# Altium PCB OpenPLCv0.2.0.PcbDoc (part 6 of 6)
Units mm, origin at the board's own origin, x right, y up, seen from the top; angles counter-clockwise.
Board outline 180 x 120 mm, 4 copper layers (Top Copper, Int1 Copper (GND), Int2 Copper (GND), Bottom Copper), stack 1.57 mm thick; 541 components, 405 nets, 1586 pads, 1395 vias.
Unrouted connection lines stored in the file: 4.
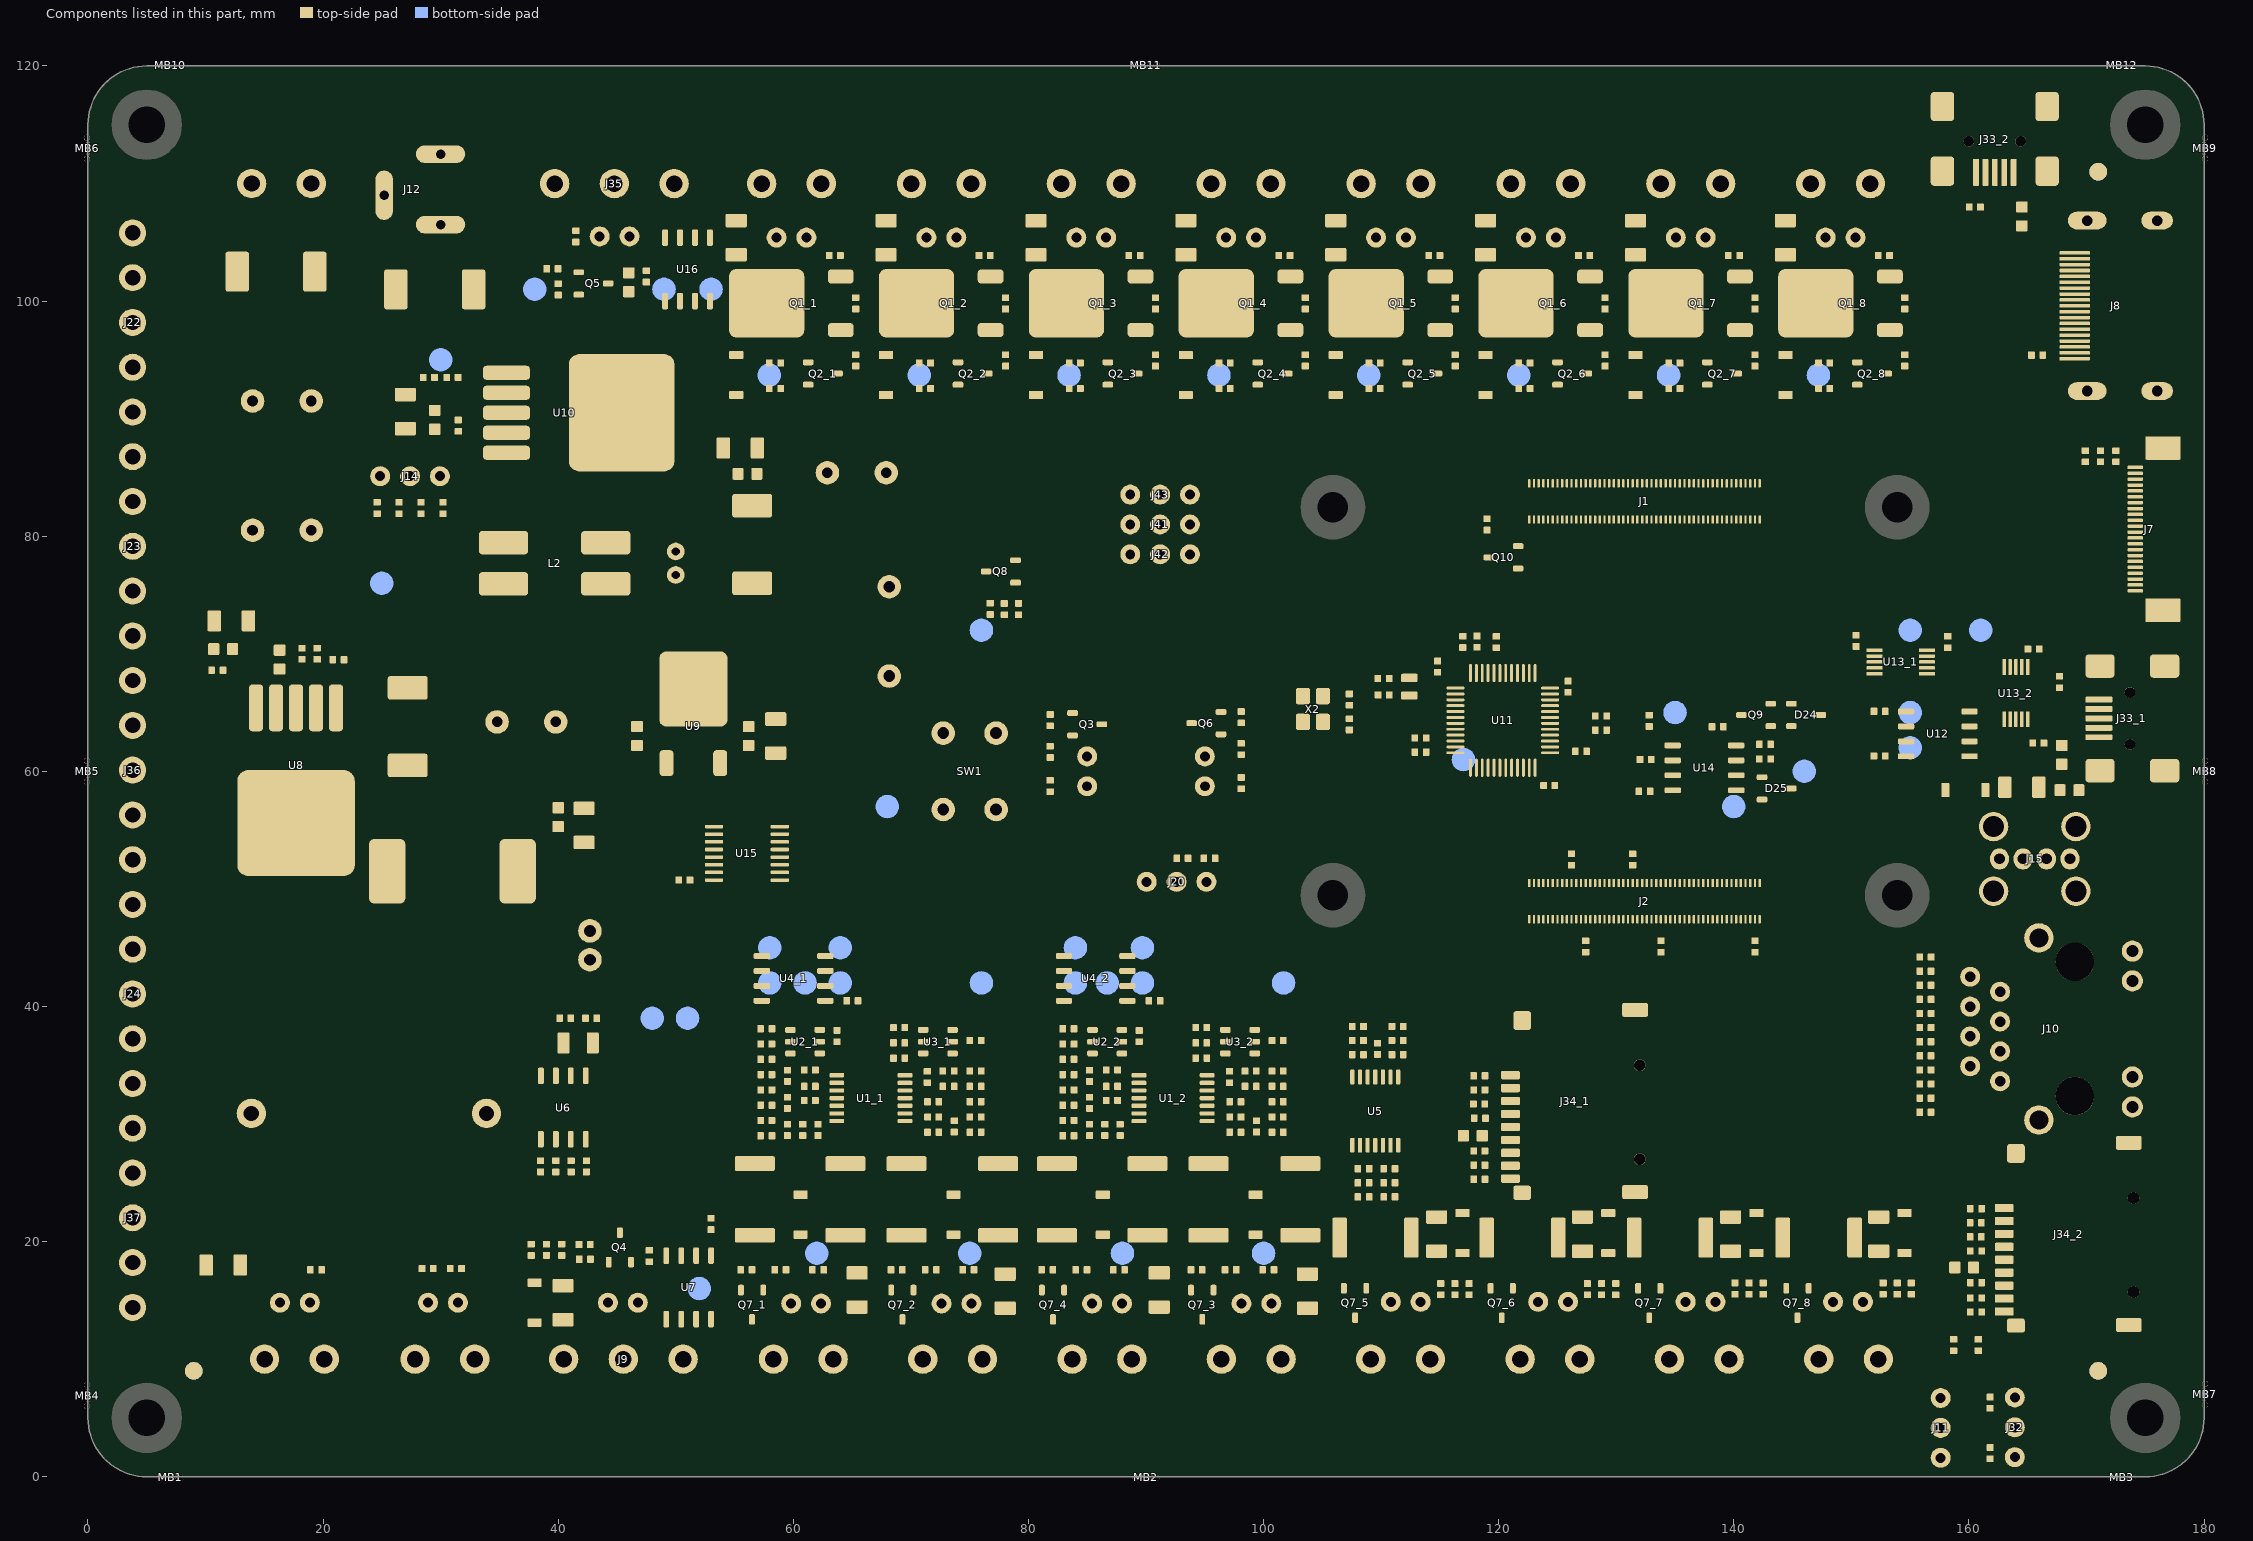
[diagram p8: the components of this part, seen from the top]

## Polygon pours and split planes (outlines as drawn) (continued)
5V on Top Copper "NONET_L03_P-001" (solid, pour order 2): 137.302,46.302 137.6,46.6 139.9,46.6 140.302,46.302 140.302,45.397 cw(c140.022,45.397) 140.022,45.117 137.532,45.117 cw(c137.532,45.347) 137.302,45.347
GND on Top Copper "NONET_L03_P-001" (solid, remove dead copper, pour order 42): 108.5,65.9 114.2,65.9 114.2,65.3 107.9,65.3 107.9,69.1 114,69.1 114,67.8 115.2,66.6 114.7,66.1 113.3,67.5 113.3,68.5 108.5,68.5
GND on Top Copper "NONET_L03_P-001" (solid, remove dead copper, pour order 41): 114.7,64.6 115.3,64 114.8,63.5 114.3,64 108.5,64 108.5,62.4 101.6,62.4 101.6,68.3 108.5,68.3 108.5,65.9 114.3,65.9 114.3,65.3 107.9,65.3 107.9,67.7 102.2,67.7 102.2,63 107.9,63 107.9,64.6
GND on Top Copper "NONET_L03_P-001" (solid, remove dead copper, pour order 40): 43.1,34 43.9,34 43.9,35 44.5,35.6 44.5,40.2 38.9,40.2 38.9,35.7 39.6,35 40.3,35 40.3,35.8 39.9,35.8 39.7,36 39.7,39.4 43.7,39.4 43.7,36 43.1,35.4
GND on Top Copper "POWER_ID2" (solid, remove dead copper, pour order 29): 20.2,62.5 30.5,62.5 30.5,70 21.3,70 21.3,69 20.2,69
24V on Top Copper "NONET_L03_P-001" (solid, remove dead copper, pour order 27): 138.751,103.2 138.751,99.5 142.751,99.5 142.751,103.2
24V on Top Copper "NONET_L03_P-001" (solid, remove dead copper, pour order 26): 126.002,103.2 126.002,99.5 130.002,99.5 130.002,103.2
24V on Top Copper "NONET_L03_P-001" (solid, remove dead copper, pour order 25): 113.253,103.2 113.253,99.5 117.253,99.5 117.253,103.2
24V on Top Copper "NONET_L03_P-001" (solid, remove dead copper, pour order 24): 100.504,103.2 100.504,99.5 104.504,99.5 104.504,103.2
24V on Top Copper "NONET_L03_P-001" (solid, remove dead copper, pour order 23): 87.755,103.2 87.755,99.5 91.755,99.5 91.755,103.2
24V on Top Copper "NONET_L03_P-001" (solid, remove dead copper, pour order 22): 75.006,103.2 75.006,99.5 79.006,99.5 79.006,103.2
24V on Top Copper "NONET_L03_P-001" (solid, remove dead copper, pour order 21): 62.257,103.2 62.257,99.5 66.257,99.5 66.257,103.2
24V on Top Copper "NONET_L03_P-001" (solid, remove dead copper, pour order 15): 151.5,103.2 151.5,99.5 155.5,99.5 155.5,103.2
5V on Top Copper "POWER_ID2" (solid, pour order 13): 45.5,45.5 45.5,56 48.5,59 50.5,59 50.5,63 43.5,63 43.5,56 38,56 38,66 33,66 33,45.5
SW_5V on Top Copper "POWER_ID2" (solid, pour order 12): 11.5,62.5 15.5,62.5 15.5,67.6 18.6,67.6 18.6,62.5 30,62.5 30,58.5 28,56.5 28,47.5 24,47.5 21.5,50 11.5,50
GND on Top Copper "POWER_ID2" (solid, remove dead copper, pour order 10): 32.5,93 32.5,96 39,96 39,93
24V_PD on Top Copper "POWER_ID2" (solid, remove dead copper, pour order 9): 40,78 59,78 59,74 40,74
GND on Top Copper "POWER_ID2" (solid, remove dead copper, pour order 8): 40,78 40,82.5 32,82.5 32,78
VIN_JACK on Top Copper "POWER_ID2" (solid, remove dead copper, pour order 6): 28.5,98 34.5,98 34.5,108 27,108 27,104 28.5,104
VIN_TERM on Top Copper "POWER_ID2" (solid, remove dead copper, pour order 4): 16,112 10.5,112 10.5,100 16,100
GND on Bottom Copper "NONET_L03_P-001" (solid, remove dead copper, pour order 73): 0,115 cw(c5,115) 5,120 175,120 cw(c175,115) 180,115 180,5 cw(c175,5) 175,0 5,0 cw(c5,5) 0,5
5V on Bottom Copper "NONET_L03_P-001" (solid, remove dead copper, pour order 72): 139.073,43.979 138.521,43.979 137.3,45.2 137.3,46.3 cw(c137.6,46.3) 137.6,46.6 140.1,46.6 cw(c140.1,46.3) 140.4,46.3 140.4,45.306
SW_24V on Bottom Copper "NONET_L03_P-001" (solid, remove dead copper, pour order 28): 42.507,94.8 48.7,94.8 cw(c48.7,93.5) 50,93.5 50,87.5 cw(c48.6,87.5) 48.6,86.1 42.6,86.1 cw(c42.704,87.5) 41.3,87.5 41.3,93.5 cw(c42.604,93.5)
SW_5V on Bottom Copper "NONET_L03_P-001" (solid, remove dead copper, pour order 30): 14.607,59.7 20.8,59.7 cw(c20.8,58.4) 22.1,58.4 22.1,52.4 cw(c20.7,52.4) 20.7,51 14.7,51 cw(c14.804,52.4) 13.4,52.4 13.4,58.4 cw(c14.704,58.4)
3V3 on Bottom Copper "NONET_L03_P-001" (solid, remove dead copper, pour order 71): 67.5,60.5 67.5,59 67.7,59 68,58.7 68.3,59 70,59 70,60.5
24V on Bottom Copper "NONET_L03_P-001" (solid, remove dead copper, pour order 37): 62,76 66,76 66,62.5 51.5,48 46,48 44.5,49.5 30,49.5 23.5,43 23.5,8 18,8 18,12 20.5,12 20.5,44.2 28.8,52.5 45.5,52.5 47,51 50,51 62,63 62,63.5 62,72
5V on Bottom Copper "NONET_L03_P-001" (solid, remove dead copper, pour order 38): 41,47.5 41,45.5 38.6,45.5 32,38.9 32,22.5 36,18.5 36,9.8 34,7.8 31.8,7.8 30.7,8.9 30.7,11.2 33.5,14 33.5,17.5 29.6,21.4 29.6,39.8 37.3,47.5
24V on Bottom Copper "NONET_L03_P-001" (solid, pour order 33): 62.3,101.5 68.3,101.5 64.5,97.7 64.5,91 62.5,89 62.5,87 58.5,87 58.5,89 62.3,92.8
24V on Bottom Copper "NONET_L03_P-001" (solid, remove dead copper, pour order 32): 153.4,101.5 153.4,99.1 62.3,99.1 62.3,101.5
GND on Int2 Copper (GND) "NONET_L03_P-001" (solid, remove dead copper, pour order 63): 0,115 cw(c5,115) 5,120 175,120 cw(c175,115) 180,115 180,5 cw(c175,5) 175,0 5,0 cw(c5,5) 0,5
NetD16_8_2 on Int2 Copper (GND) "Int2 Copper (GND)-NetD16_8_2" (solid, remove dead copper, pour order 62): 143.443,97.3 ccw(c144.143,97.3) 144.143,96.6 149.809,96.6 ccw(c149.809,97.3) 150.509,97.3 150.509,102.326 ccw(c149.809,102.326) 149.809,103.026 144.143,103.026 ccw(c144.143,102.326) 143.443,102.326 143.443,99.813
NetD16_7_2 on Int2 Copper (GND) "Int2 Copper (GND)-NetD16_7_2" (solid, remove dead copper, pour order 61): 130.694,97.3 ccw(c131.394,97.3) 131.394,96.6 137.06,96.6 ccw(c137.06,97.3) 137.76,97.3 137.76,102.326 ccw(c137.06,102.326) 137.06,103.026 131.394,103.026 ccw(c131.394,102.326) 130.694,102.326 130.694,99.813
NetD16_6_2 on Int2 Copper (GND) "Int2 Copper (GND)-NetD16_6_2" (solid, remove dead copper, pour order 60): 117.945,97.3 ccw(c118.645,97.3) 118.645,96.6 124.311,96.6 ccw(c124.311,97.3) 125.011,97.3 125.011,102.326 ccw(c124.311,102.326) 124.311,103.026 118.645,103.026 ccw(c118.645,102.326) 117.945,102.326 117.945,99.813
NetD16_5_2 on Int2 Copper (GND) "Int2 Copper (GND)-NetD16_5_2" (solid, remove dead copper, pour order 59): 105.196,97.3 ccw(c105.896,97.3) 105.896,96.6 111.562,96.6 ccw(c111.562,97.3) 112.262,97.3 112.262,102.326 ccw(c111.562,102.326) 111.562,103.026 105.896,103.026 ccw(c105.896,102.326) 105.196,102.326 105.196,99.813
NetD16_4_2 on Int2 Copper (GND) "Int2 Copper (GND)-NetD16_4_2" (solid, remove dead copper, pour order 58): 92.447,97.3 ccw(c93.147,97.3) 93.147,96.6 98.813,96.6 ccw(c98.813,97.3) 99.513,97.3 99.513,102.326 ccw(c98.813,102.326) 98.813,103.026 93.147,103.026 ccw(c93.147,102.326) 92.447,102.326 92.447,99.813
NetD16_3_2 on Int2 Copper (GND) "Int2 Copper (GND)-NetD16_3_2" (solid, remove dead copper, pour order 57): 79.698,97.3 ccw(c80.398,97.3) 80.398,96.6 86.064,96.6 ccw(c86.064,97.3) 86.764,97.3 86.764,102.326 ccw(c86.064,102.326) 86.064,103.026 80.398,103.026 ccw(c80.398,102.326) 79.698,102.326 79.698,99.813
NetD16_2_2 on Int2 Copper (GND) "Int2 Copper (GND)-NetD16_2_2" (solid, remove dead copper, pour order 56): 66.949,97.3 ccw(c67.649,97.3) 67.649,96.6 73.315,96.6 ccw(c73.315,97.3) 74.015,97.3 74.015,102.326 ccw(c73.315,102.326) 73.315,103.026 67.649,103.026 ccw(c67.649,102.326) 66.949,102.326 66.949,99.813
NetD16_1_2 on Int2 Copper (GND) "Int2 Copper (GND)-NetD16_1_2" (solid, remove dead copper, pour order 35): 54.2,97.3 ccw(c54.9,97.3) 54.9,96.6 60.566,96.6 ccw(c60.566,97.3) 61.266,97.3 61.266,102.326 ccw(c60.566,102.326) 60.566,103.026 54.9,103.026 ccw(c54.9,102.326) 54.2,102.326 54.2,99.813
GND on Int1 Copper (GND) "NONET_L03_P-001" (solid, remove dead copper, pour order 55): 0,115 cw(c5,115) 5,120 175,120 cw(c175,115) 180,115 180,5 cw(c175,5) 175,0 5,0 cw(c5,5) 0,5
NetD16_8_2 on Int1 Copper (GND) "Int1 Copper (GND)-NetD16_8_2" (solid, remove dead copper, pour order 54): 143.443,97.3 ccw(c144.143,97.3) 144.143,96.6 149.809,96.6 ccw(c149.809,97.3) 150.509,97.3 150.509,102.326 ccw(c149.809,102.326) 149.809,103.026 144.143,103.026 ccw(c144.143,102.326) 143.443,102.326 143.443,99.813
NetD16_1_2 on Int1 Copper (GND) "Int1 Copper (GND)-NetD16_1_2" (solid, remove dead copper, pour order 36): 54.2,97.3 ccw(c54.9,97.3) 54.9,96.6 60.566,96.6 ccw(c60.566,97.3) 61.266,97.3 61.266,102.326 ccw(c60.566,102.326) 60.566,103.026 54.9,103.026 ccw(c54.9,102.326) 54.2,102.326 54.2,99.813
NetD16_2_2 on Int1 Copper (GND) "Int1 Copper (GND)-NetD16_2_2" (solid, remove dead copper, pour order 48): 66.949,97.3 ccw(c67.649,97.3) 67.649,96.6 73.315,96.6 ccw(c73.315,97.3) 74.015,97.3 74.015,102.326 ccw(c73.315,102.326) 73.315,103.026 67.649,103.026 ccw(c67.649,102.326) 66.949,102.326 66.949,99.813
NetD16_3_2 on Int1 Copper (GND) "Int1 Copper (GND)-NetD16_3_2" (solid, remove dead copper, pour order 49): 79.698,97.3 ccw(c80.398,97.3) 80.398,96.6 86.064,96.6 ccw(c86.064,97.3) 86.764,97.3 86.764,102.326 ccw(c86.064,102.326) 86.064,103.026 80.398,103.026 ccw(c80.398,102.326) 79.698,102.326 79.698,99.813
NetD16_4_2 on Int1 Copper (GND) "Int1 Copper (GND)-NetD16_4_2" (solid, remove dead copper, pour order 50): 92.447,97.3 ccw(c93.147,97.3) 93.147,96.6 98.813,96.6 ccw(c98.813,97.3) 99.513,97.3 99.513,102.326 ccw(c98.813,102.326) 98.813,103.026 93.147,103.026 ccw(c93.147,102.326) 92.447,102.326 92.447,99.813
NetD16_5_2 on Int1 Copper (GND) "Int1 Copper (GND)-NetD16_5_2" (solid, remove dead copper, pour order 51): 105.196,97.3 ccw(c105.896,97.3) 105.896,96.6 111.562,96.6 ccw(c111.562,97.3) 112.262,97.3 112.262,102.326 ccw(c111.562,102.326) 111.562,103.026 105.896,103.026 ccw(c105.896,102.326) 105.196,102.326 105.196,99.813
NetD16_6_2 on Int1 Copper (GND) "Int1 Copper (GND)-NetD16_6_2" (solid, remove dead copper, pour order 52): 117.945,97.3 ccw(c118.645,97.3) 118.645,96.6 124.311,96.6 ccw(c124.311,97.3) 125.011,97.3 125.011,102.326 ccw(c124.311,102.326) 124.311,103.026 118.645,103.026 ccw(c118.645,102.326) 117.945,102.326 117.945,99.813
NetD16_7_2 on Int1 Copper (GND) "Int1 Copper (GND)-NetD16_7_2" (solid, remove dead copper, pour order 53): 130.694,97.3 ccw(c131.394,97.3) 131.394,96.6 137.06,96.6 ccw(c137.06,97.3) 137.76,97.3 137.76,102.326 ccw(c137.06,102.326) 137.06,103.026 131.394,103.026 ccw(c131.394,102.326) 130.694,102.326 130.694,99.813

## Other copper
Top Copper:
  pour cut-out: 39.7,39.4 43.7,39.4 43.7,36 43.1,35.4 43.1,34 40.3,34 40.3,35.8 39.9,35.8 39.7,36
  pour cut-out: 108.5,68.5 113.3,68.5 113.3,67.581 114.607,66.274 114.233,65.9 108.5,65.9
  pour cut-out: 102.2,67.7 107.9,67.7 107.9,65.32 107.92,65.3 114.3,65.3 114.3,64.6 107.9,64.6 107.9,63 102.2,63

## Silkscreen, mask and mechanical layers (free items; w line width, h text height)
Top Overlay:
  drawing of 56 lines, arcs and shapes, not listed
  text "PI" at 87.417,85.339 h3
  text "ST" at 91.859,85.341 h3
  text "BOTTOM / CONTACT" at 168.543,83.309 h2 r270
  text "24V" at 24.136,78.955 h3 r270
  text "12V" at 28.736,78.882 h3 r270
  text "RS485" at 87.333,74.841 h3
  text "STM32" at 90.788,66.241 h3
  text "RPI" at 82.397,66.189 h3
  text "RESET" at 70.61,53.051 h3
  text "B2B-XH-A" at 39.097,49.858 h2
  text "GND" at 89.361,49 h2 r270
  text "SWDIO" at 91.861,49 h2 r270
  text "SWCLK" at 94.361,49 h2 r270
  text "5VDC / FAN" at 48.252,48.753 h3 r270
  text "+" at 45.431,45.226 h3
  text "BOOT SD" at 140.459,26.048 h3 r90
  text "STM" at 166.939,4.209 h2 r90
  text "eMMC" at 160.539,2.742 h2 r90
Board:
  the board outline again, w0.2
Route Tool Path:
  lines w3: -1.5,9 -1.5,58 ; -1.5,62 -1.5,111 ; -1.5,115 cw(c5,115) 4.997,121.5 ; 9,-1.5 88,-1.5 ; 9,121.5 88,121.5 ; 92,-1.5 171,-1.5 ; 92,121.5 171,121.5 ; 181.5,9 181.5,58 ; 181.5,62 181.5,111 ; -1.5,4.997 ccw(c5,5) 4.997,-1.5 ; -1.5,4.997 cw(c5,5) -1.5,5 ccw(c0,5) -1.5,4.997 ; 4.997,-1.5 ccw(c5,0) 5,-1.5 cw(c5,5) 4.997,-1.5 ; 4.997,121.5 cw(c5,120) 5,121.5 ccw(c5,115) 4.997,121.5 ; 175.003,-1.5 ccw(c175,5) 181.5,4.997 ; 175.003,-1.5 cw(c175,5) 175,-1.5 ccw(c175,0) 175.003,-1.5 ; 175.003,121.5 ccw(c175,115) 175,121.5 cw(c175,120) 175.003,121.5 ; 175.003,121.5 cw(c175,115) 181.5,115.003 ; 181.5,4.997 ccw(c180,5) 181.5,5 cw(c175,5) 181.5,4.997 ; 181.5,115.003 cw(c175,115) 181.5,115 ccw(c180,115) 181.5,115.003
General Notes:
  circle w0.2: c5,115 r4.998
  circle w0.2: c5,5 r4.998
  circle w0.2: c175,5 r4.998
  circle w0.2: c175,115 r4.998
  lines w0.2: 102.4,49.46 ccw(c105.9,49.46) 105.9,45.96 153.9,45.96 ccw(c153.9,49.46) 157.4,49.46 157.4,82.46 ccw(c153.9,82.46) 153.9,85.96 105.9,85.96 ccw(c105.9,82.46) 102.4,82.46 102.4,49.46
  text "1.5MM HEIGHT CLEARANCE" at 112.5,65.631 h3
90R diff pairs top layer:
  drawing of 164 lines, arcs and shapes, not listed
90R diff pairs bottom layer:
  lines w0.127: 143.7,68.9 143.72,68.88 144.18,68.88 145.107,69.807 ; 144.243,68.257 144.284,68.298 144.284,68.62 144.309,68.645 ; 156.8,101.1 156.8,101.09 157.071,100.818 157.071,97.935 154.743,95.606 154.743,90.743 147.443,83.443 147.443,72.143 145.107,69.807 ; 157.6,101.1 157.6,101.09 157.328,100.818 157.328,97.828 155,95.5 155,90.637 147.7,83.337 147.7,72.037 145.214,69.55 ; 144.309,68.646 145.214,69.55 ; 144.309,68.645 144.309,68.646 ; 145.107,69.807 145.107,69.807 ; 145.214,69.55 145.214,69.55
100R diff pairs top layer:
  drawing of 727 lines, arcs and shapes, not listed
120R diff pairs top layer:
  lines w0.127: 39.7,109.995 41.752,109.995 41.827,109.921 41.827,108.604 43.457,106.973 50.157,106.973 50.587,106.544 50.587,106.105 50.365,105.883 50.365,105.4 ; 44.78,109.995 42.728,109.995 42.654,109.921 42.654,108.946 43.8,107.8 50.5,107.8 51.414,106.887 51.414,106.105 51.635,105.883 51.635,105.4

## Dimensions
5,120 to 5,0 on General Notes
2.5,5 to 2.5,115 on General Notes
0,5 to 180,5 on General Notes
175,2.5 to 5,5 on General Notes